# Altium PCB CM_PCB.PcbDoc (part 6 of 7)
Units mil, origin at the board's own origin, x right, y up, seen from the top; angles counter-clockwise.
Board outline 6478 x 5255 mil, 14 copper layers (Top Layer, GND1, HS1, GND2, DIFF_SE1, GND3, POWER1, POWER2, GND4, DIFF_SE2, GND5, HS2, GND6, Bottom Layer), stack 76.1 mil thick; 327 components, 386 nets, 2198 pads, 830 vias.
Unrouted connection lines stored in the file: 392.
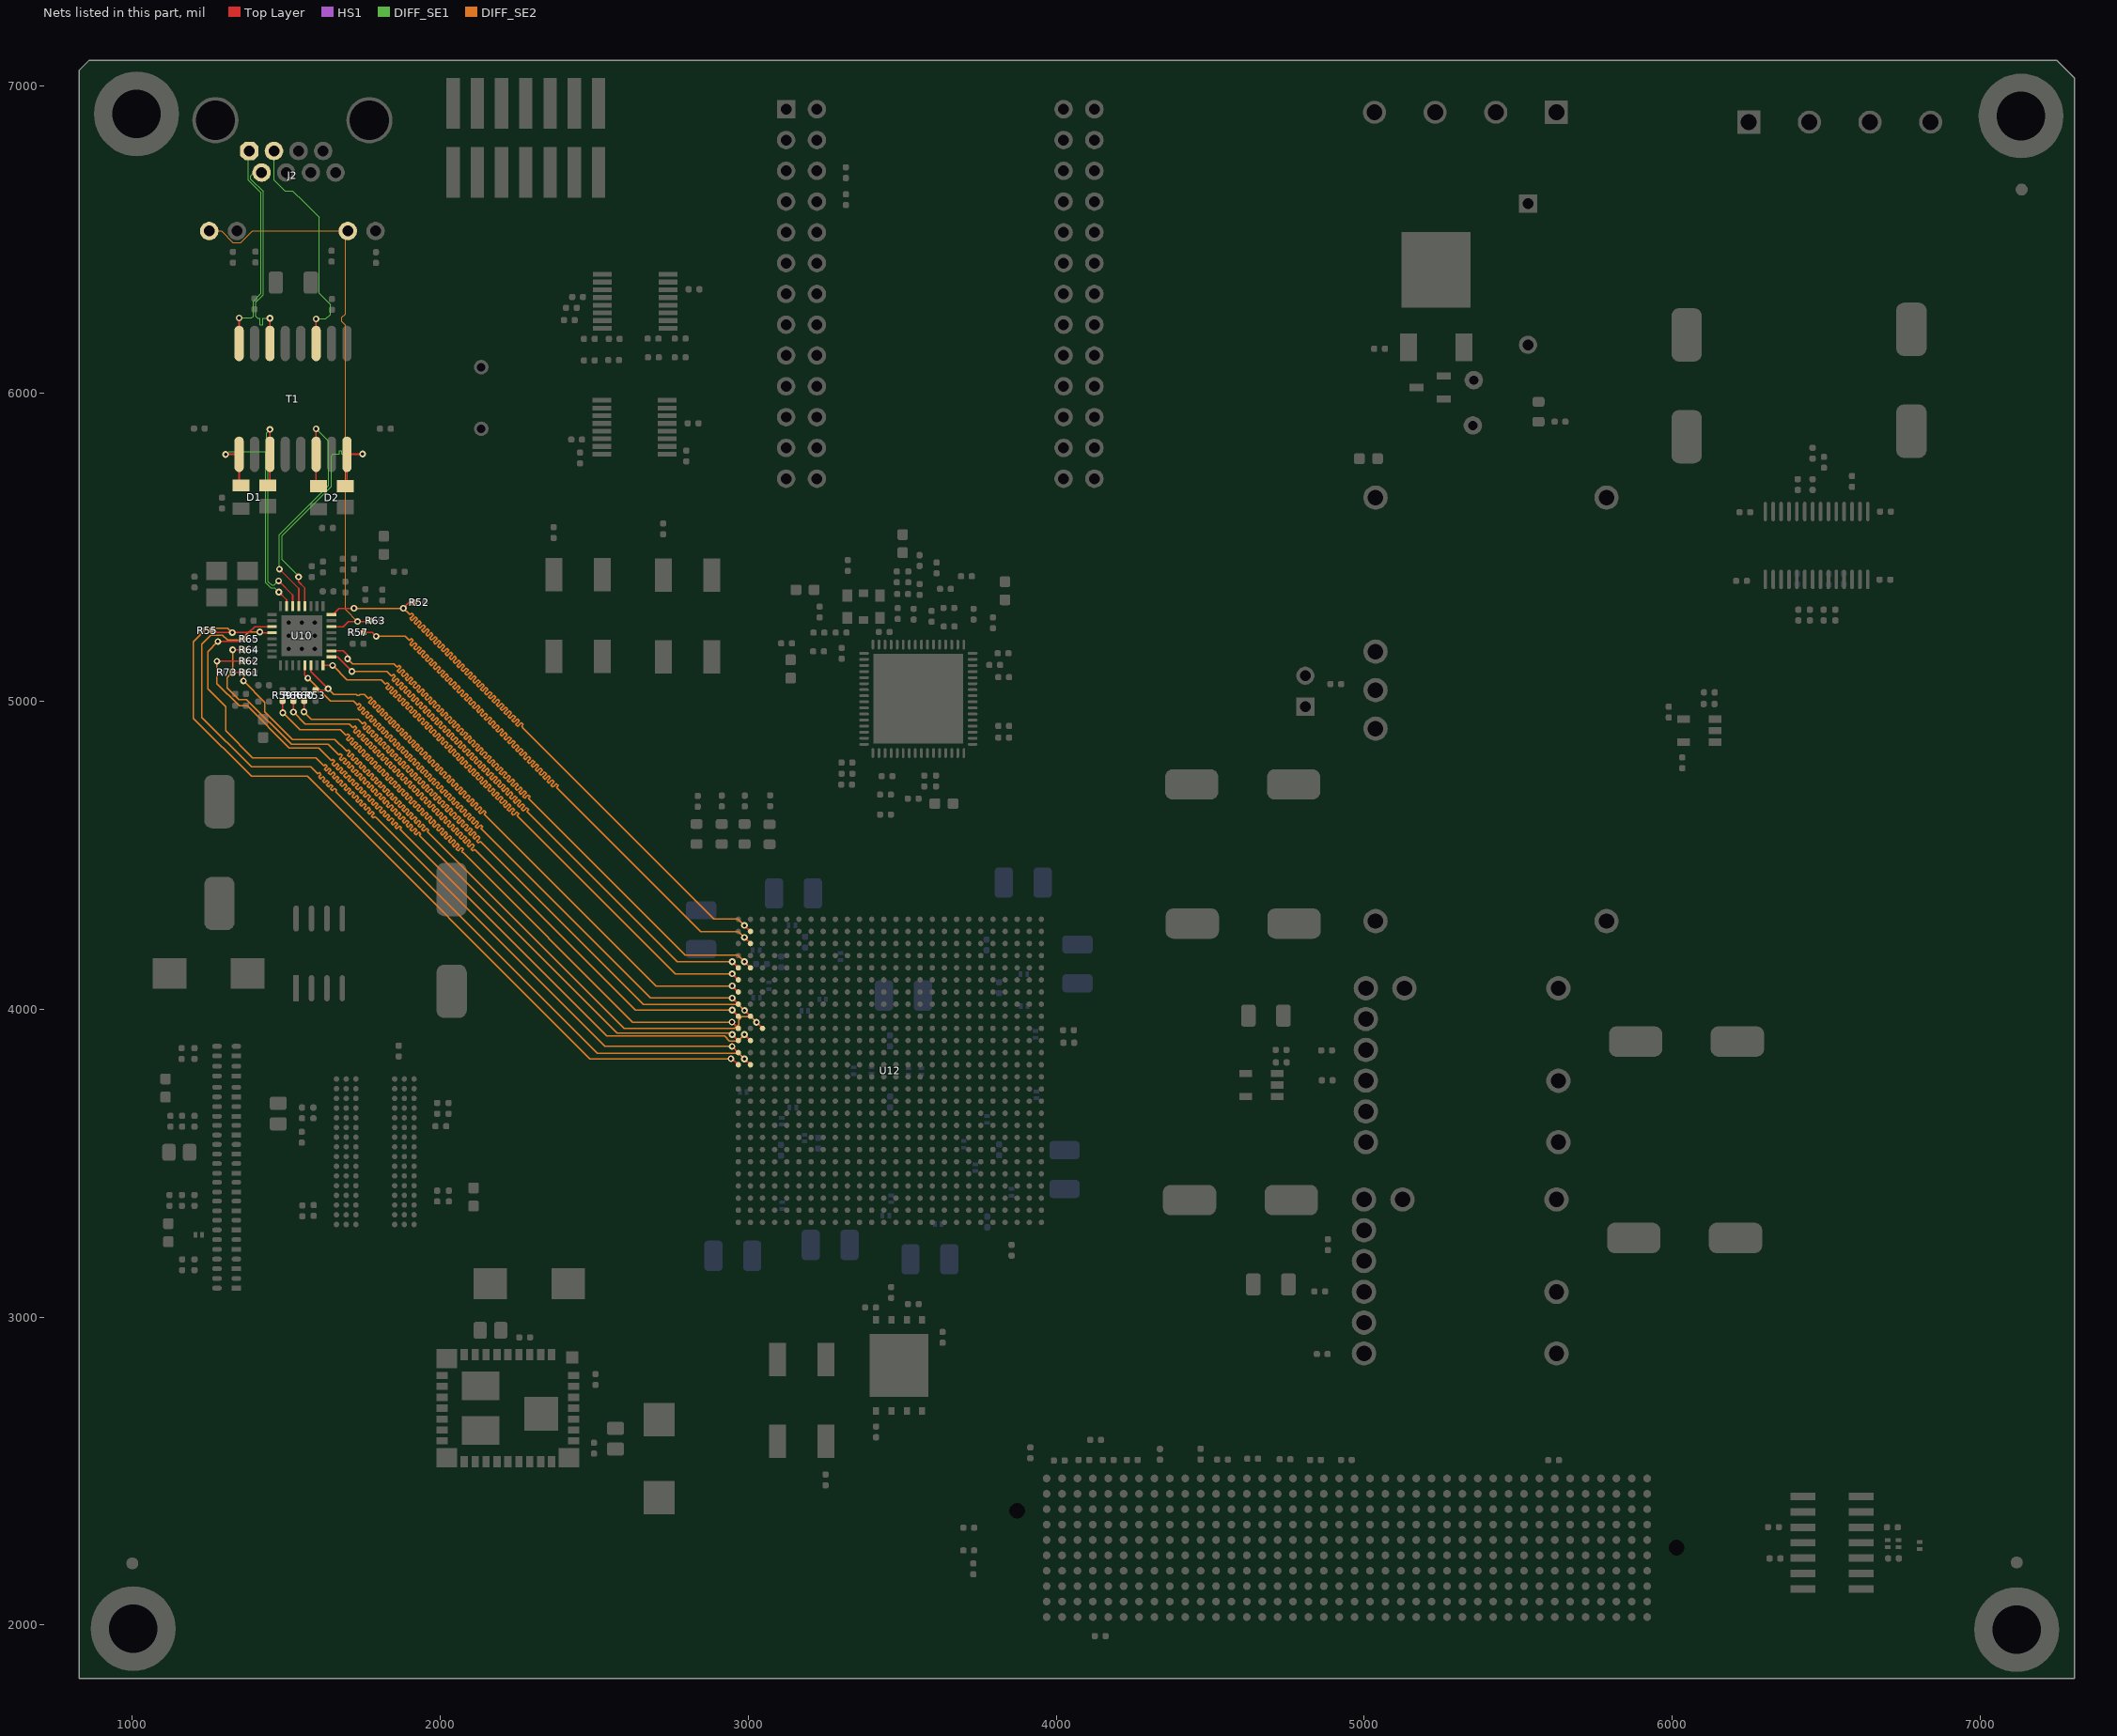
[diagram p18: the nets of this part, all layers, seen from the top]

## Via types
v1: diameter 22, hole 11, Top Layer to Bottom Layer, 627 vias
v2: diameter 22, hole 11, Top Layer to Bottom Layer, tented top, 139 vias
v3: diameter 19.68, hole 7.87, Top Layer to Bottom Layer, tented top, 27 vias
v4: diameter 19.68, hole 7.87, Top Layer to Bottom Layer, 25 vias
v5: diameter 19.68, hole 11.81, Top Layer to Bottom Layer, 12 vias

## Nets (pads, with @x,y where several pads share a name; then routed paths per layer and width w, separated by ;. In a path a pad name is that pad's centre, name@x,y a point inside that pad or via, vN(x,y) a via of type N, cw(c..) or ccw(c..) an arc to the next point about the centre after c; other vN are vias at no path point) (continued)
PHY_CONN_RX_P: J2.3 T1.11 | length 753.6
  Top Layer w5: T1.11@1596.94,6162.3 v1(1596.94,6241.94)
  DIFF_SE1 w3: J2.3@1459.94,6787.3 1459.94,6693.06 1495.16,6657.84 1520.84,6657.84 1556.34,6622.34 1606.66,6572.03 1606.66,6325.34 1642.94,6289.06 1642.94,6256 1628.89,6241.94 v1(1596.94,6241.94)
PHY_CONN_TX_N: J2.2 T1.14 | length 696.6
  Top Layer w5: T1.14@1446.94,6162.3 1446.94,6243.94 v1(1447,6244)
  DIFF_SE1 w3: J2.2@1419.94,6717.3 1395.3,6717.3 1385,6707 1385,6696.31 1426,6655.31 1426,6321 1400.97,6295.97 1400.97,6251 1407.97,6244 1410,6244 1415.49,6244 1415.49,6222.3 1423.49,6222.3 1423.49,6244 1427.49,6244 v1(1447,6244)
PHY_CONN_TX_P: J2.1 T1.16 | length 696
  Top Layer w5: T1.16@1346.94,6162.3 v1(1346.94,6244.94)
  DIFF_SE1 w3: v1(1346.94,6244.94) 1386.92,6244.94 1392.97,6251 1392.97,6299.29 1418,6324.31 1418,6652 1377,6693 1377,6784.35 J2.1@1379.94,6787.3
PHY_CRS: R57.2 U12.C2 | length 2845.3
  Top Layer w4: R57.2@1750.94,5223.8 1779.2,5223.8 v1(1792,5211) ; v1(2987.37,4233) U12.C2@3007.19,4213.18
  DIFF_SE2 w4: v1(1792,5211) 1887,5211 1897,5201 1900.18,5197.82 1905.7,5203.34 1912.06,5196.97 1906.55,5191.45 1901.03,5185.94 1907.39,5179.57 1912.91,5185.09 1918.43,5190.61 1924.79,5184.24 1919.27,5178.73 1913.76,5173.21 1920.12,5166.84 1925.64,5172.36 1931.16,5177.88 1937.52,5171.52 1932,5166 1926.48,5160.48 1932.85,5154.12 1938.37,5159.63 1943.88,5165.15 1950.25,5158.79 1944.73,5153.27 1939.21,5147.75 1945.58,5141.39 1951.09,5146.91 1956.61,5152.42 1962.97,5146.06 1957.46,5140.54 1951.94,5135.02 1958.3,5128.66 1963.82,5134.18 1969.34,5139.7 1975.7,5133.33 1970.19,5127.81 1964.67,5122.3 1971.03,5115.93 1976.55,5121.45 1982.07,5126.97 1988.43,5120.6 1982.91,5115.09 1977.4,5109.57 1983.76,5103.21 1989.28,5108.72 1994.79,5114.24 2001.16,5107.88 1995.64,5102.36 1990.12,5096.84 1996.49,5090.48 2002.01,5095.99 2007.52,5101.51 2013.89,5095.15 2008.37,5089.63 2002.85,5084.11 2009.22,5077.75 2014.73,5083.27 2020.25,5088.78 2026.61,5082.42 2021.1,5076.9 2015.58,5071.39 2021.94,5065.02 2027.46,5070.54 2032.98,5076.06 2039.34,5069.69 2033.83,5064.17 2028.31,5058.66 2034.67,5052.29 2040.19,5057.81 2045.71,5063.33 2052.07,5056.96 2046.55,5051.45 2041.04,5045.93 2047.4,5039.57 2052.92,5045.08 2058.43,5050.6 2064.8,5044.24 2059.28,5038.72 2053.76,5033.2 2060.13,5026.84 2065.64,5032.35 2071.16,5037.87 2077.53,5031.51 2072.01,5025.99 2066.49,5020.47 2072.86,5014.11 2078.37,5019.63 2083.89,5025.14 2090.25,5018.78 2084.74,5013.26 2079.22,5007.75 2085.58,5001.38 2091.1,5006.9 2096.62,5012.42 2102.98,5006.05 2097.46,5000.54 2091.95,4995.02 2098.31,4988.65 2103.83,4994.17 2109.35,4999.69 2115.71,4993.32 2110.19,4987.81 2104.68,4982.29 2111.04,4975.93 2116.56,4981.44 2122.07,4986.96 2128.44,4980.6 2122.92,4975.08 2117.4,4969.56 2123.77,4963.2 2129.28,4968.72 2134.8,4974.23 2141.17,4967.87 2135.65,4962.35 2130.13,4956.83 2136.5,4950.47 2142.01,4955.99 2147.53,4961.5 2153.89,4955.14 2148.38,4949.62 2142.86,4944.11 2149.22,4937.74 2154.74,4943.26 2160.26,4948.78 2166.62,4942.41 2161.1,4936.9 2155.59,4931.38 2161.95,4925.01 2167.47,4930.53 2172.99,4936.05 2179.35,4929.69 2173.83,4924.17 2168.32,4918.65 2174.68,4912.29 2180.2,4917.8 2185.71,4923.32 2192.08,4916.96 2186.56,4911.44 2181.04,4905.92 2187.41,4899.56 2192.92,4905.08 2198.44,4910.59 2204.81,4904.23 2199.29,4898.71 2193.77,4893.19 2200.13,4886.83 2205.65,4892.35 2211.17,4897.87 2217.53,4891.5 2212.02,4885.98 2206.5,4880.47 2212.86,4874.1 2218.38,4879.62 2223.9,4885.14 2230.26,4878.77 2224.74,4873.26 2219.23,4867.74 2225.59,4861.37 2231.11,4866.89 2236.63,4872.41 2242.99,4866.05 2237.47,4860.53 2231.95,4855.01 2238.32,4848.65 2243.84,4854.16 2249.35,4859.68 2255.72,4853.32 2250.2,4847.8 2244.68,4842.28 2251.05,4835.92 2256.56,4841.44 2262.08,4846.95 2268.45,4840.59 2262.93,4835.07 2257.41,4829.55 2263.77,4823.19 2269.29,4828.71 2274.81,4834.23 2281.17,4827.86 2275.66,4822.34 2270.14,4816.83 2276.5,4810.46 2282.02,4815.98 2287.54,4821.5 2293.9,4815.13 2288.38,4809.62 2282.87,4804.1 2289.23,4797.74 2294.75,4803.25 2300.26,4808.77 2306.63,4802.41 2301.11,4796.89 2295.59,4791.37 2301.96,4785.01 2307.48,4790.52 2312.99,4796.04 2319.36,4789.68 2313.84,4784.16 2308.32,4778.64 2314.69,4772.28 2320.2,4777.8 2325.72,4783.31 2332.08,4776.95 2326.57,4771.43 2321.05,4765.92 2327.41,4759.55 2332.93,4765.07 2338.45,4770.59 2344.81,4764.22 2339.3,4758.7 2333.78,4753.19 2340.14,4746.82 2345.66,4752.34 2351.18,4757.86 2357.54,4751.49 2352.02,4745.98 2346.51,4740.46 2352.87,4734.1 2358.39,4739.61 2363.9,4745.13 2370.27,4738.77 2364.75,4733.25 2359.23,4727.73 2365.6,4721.37 2371.12,4726.88 2376.63,4732.4 2383,4726.04 2377.48,4720.52 2435.5,4662.5 2846,4252 2968.37,4252 v1(2987.37,4233)
PHY_INTRP: U10.21 U12.H1 | length 2845.3
  Top Layer w4: U10.21@1560.29,5116.34 1560.29,5084.71 v1(1570,5075) ; v1(2948.15,4036) U12.H1@2967.82,4016.33
  DIFF_SE2 w4: v1(1570,5075) 1644,5001 1718,5001 1728,4991 1731.18,4987.82 1736.59,4993.23 1742.95,4986.86 1737.55,4981.45 1732.14,4976.05 1738.5,4969.68 1743.91,4975.09 1749.32,4980.5 1755.68,4974.13 1750.27,4968.73 1744.87,4963.32 1751.23,4956.95 1756.64,4962.36 1762.05,4967.77 1768.41,4961.41 1763,4956 1757.59,4950.59 1763.96,4944.23 1769.37,4949.63 1774.77,4955.04 1781.14,4948.68 1775.73,4943.27 1770.32,4937.86 1776.69,4931.5 1782.09,4936.91 1787.5,4942.31 1793.87,4935.95 1788.46,4930.54 1783.05,4925.13 1789.41,4918.77 1794.82,4924.18 1800.23,4929.59 1806.59,4923.22 1801.19,4917.81 1795.78,4912.41 1802.14,4906.04 1807.55,4911.45 1812.96,4916.86 1819.32,4910.49 1813.91,4905.09 1808.51,4899.68 1814.87,4893.32 1820.28,4898.72 1825.68,4904.13 1832.05,4897.77 1826.64,4892.36 1821.23,4886.95 1827.6,4880.59 1833.01,4885.99 1838.41,4891.4 1844.78,4885.04 1839.37,4879.63 1833.96,4874.22 1840.33,4867.86 1845.73,4873.27 1851.14,4878.67 1857.5,4872.31 1852.1,4866.9 1846.69,4861.5 1853.05,4855.13 1858.46,4860.54 1863.87,4865.95 1870.23,4859.58 1864.83,4854.17 1859.42,4848.77 1865.78,4842.4 1871.19,4847.81 1876.6,4853.22 1882.96,4846.85 1877.55,4841.45 1872.15,4836.04 1878.51,4829.68 1883.92,4835.08 1889.32,4840.49 1895.69,4834.13 1890.28,4828.72 1884.87,4823.31 1891.24,4816.95 1896.64,4822.35 1902.05,4827.76 1908.42,4821.4 1903.01,4815.99 1897.6,4810.58 1903.97,4804.22 1909.37,4809.63 1914.78,4815.03 1921.14,4808.67 1915.74,4803.26 1910.33,4797.86 1916.69,4791.49 1922.1,4796.9 1927.51,4802.31 1933.87,4795.94 1928.46,4790.54 1923.06,4785.13 1929.42,4778.76 1934.83,4784.17 1940.24,4789.58 1946.6,4783.21 1941.19,4777.81 1935.79,4772.4 1942.15,4766.04 1947.56,4771.44 1952.96,4776.85 1959.33,4770.49 1953.92,4765.08 1948.51,4759.67 1954.88,4753.31 1960.28,4758.72 1965.69,4764.12 1972.06,4757.76 1966.65,4752.35 1961.24,4746.94 1967.61,4740.58 1973.01,4745.99 1978.42,4751.4 1984.78,4745.03 1979.38,4739.62 1973.97,4734.22 1980.33,4727.85 1985.74,4733.26 1991.15,4738.67 1997.51,4732.3 1992.1,4726.9 1986.7,4721.49 1993.06,4715.12 1998.47,4720.53 2003.88,4725.94 2010.24,4719.58 2004.83,4714.17 1999.42,4708.76 2005.79,4702.4 2011.2,4707.8 2016.6,4713.21 2022.97,4706.85 2017.56,4701.44 2012.15,4696.03 2018.52,4689.67 2023.92,4695.08 2029.33,4700.48 2035.7,4694.12 2030.29,4688.71 2024.88,4683.3 2031.24,4676.94 2036.65,4682.35 2042.06,4687.76 2048.42,4681.39 2043.02,4675.98 2037.61,4670.58 2043.97,4664.21 2049.38,4669.62 2054.79,4675.03 2061.15,4668.66 2055.74,4663.26 2050.34,4657.85 2056.7,4651.48 2062.11,4656.89 2067.52,4662.3 2073.88,4655.94 2068.47,4650.53 2063.06,4645.12 2069.43,4638.76 2074.84,4644.16 2080.24,4649.57 2086.61,4643.21 2081.2,4637.8 2075.79,4632.39 2082.16,4626.03 2087.56,4631.44 2092.97,4636.84 2099.34,4630.48 2093.93,4625.07 2088.52,4619.66 2094.88,4613.3 2100.29,4618.71 2105.7,4624.12 2112.06,4617.75 2106.66,4612.34 2101.25,4606.94 2107.61,4600.57 2113.02,4605.98 2118.43,4611.39 2124.79,4605.02 2119.38,4599.62 2113.98,4594.21 2120.34,4587.85 2125.75,4593.25 2131.16,4598.66 2137.52,4592.3 2132.11,4586.89 2135,4584 2683,4036 v1(2948.15,4036)
PHY_LED: J2.9 J2.11 R63.1 U10.30 | length 1912
  Top Layer w4: U10.30@1646.9,5242.32 1684.82,5242.32 1701.5,5259 v1(1731.5,5259) 1769.5,5259 R63.1@1772.5,5262
  DIFF_SE2 w3: J2.9@1249.94,6527.3 1289.74,6527.3 1327.04,6490 1352.85,6490 1390.15,6527.3 J2.11@1699.94,6527.3 1692,6519.35 1692,6258.44 1680.44,6246.89 1680.44,6233.22 1692,6221.67 1692,5298 v1@1731,5259
PHY_MDC: U10.12 U12.N2 | length 2845.4
  Top Layer w4: v1(1414,5225) 1414,5223 1414.36,5222.64 U10.12@1453.99,5222.64 ; v1(2988,3838.67) U12.N2@3007.19,3819.48
  DIFF_SE2 w4: v1(1414,5225) 1378,5225 1352,5199 1309,5199 1293,5215 1255,5215 1226,5186 1226,4948 1387,4787 1580,4787 1599.5,4767.5 1602.68,4764.32 1606.58,4768.21 1612.94,4761.85 1609.05,4757.95 1605.15,4754.06 1611.51,4747.69 1615.41,4751.59 1619.31,4755.49 1625.67,4749.12 1621.77,4745.23 1617.88,4741.33 1624.24,4734.97 1628.14,4738.86 1632.03,4742.76 1638.4,4736.39 1634.5,4732.5 1630.61,4728.6 1636.97,4722.24 1640.87,4726.13 1644.76,4730.03 1651.13,4723.67 1647.23,4719.77 1643.33,4715.87 1649.7,4709.51 1653.59,4713.41 1657.49,4717.3 1663.85,4710.94 1659.96,4707.04 1665.5,4701.5 2510,3857 2969.67,3857 v1(2988,3838.67)
PHY_MDIO: R55.1 U10.11 U12.N1 | length 2845.3
  Top Layer w4: R55.1@1261,5230 1264,5233 1274,5223 v1(1325,5223) 1379,5223 1398.32,5242.32 U10.11@1453.99,5242.32 ; v1(2944,3839) 2948.3,3839 U12.N1@2967.82,3819.48
  HS1 w4: v1(2944,3839) v1@2944,3842
  DIFF_SE2 w4: v1(1325,5223) 1310,5238 1243,5238 1198,5193 1198,4945 1387,4756 1569,4756 2486,3839 v1(2944,3839)
PHY_RST: R52.1 U10.32 U12.B2 | length 2770.1
  Top Layer w4: U10.32@1646.9,5281.69 1650.69,5281.69 1671,5302 v1(1720,5302) ; v1(1880,5302) 1899,5321 R52.1@1914.5,5321 ; v1(2988,4272) 2988,4271.74 U12.B2@3007.19,4252.55
  DIFF_SE2 w4: v1(1720,5302) v1(1880,5302) 1898,5284 1901.18,5280.82 1906.91,5286.55 1913.28,5280.19 1907.55,5274.45 1901.81,5268.72 1908.18,5262.36 1913.91,5268.09 1919.64,5273.82 1926.01,5267.46 1920.27,5261.73 1914.54,5255.99 1920.91,5249.63 1926.64,5255.36 1932.37,5261.09 1938.73,5254.73 1933,5249 1927.27,5243.27 1933.63,5236.9 1939.37,5242.63 1945.1,5248.37 1951.46,5242 1945.73,5236.27 1940,5230.54 1946.36,5224.17 1952.09,5229.91 1957.83,5235.64 1964.19,5229.27 1958.46,5223.54 1952.73,5217.81 1959.09,5211.45 1964.82,5217.18 1970.55,5222.91 1976.92,5216.55 1971.19,5210.81 1965.45,5205.08 1971.82,5198.72 1977.55,5204.45 1983.28,5210.18 1989.65,5203.82 1983.91,5198.09 1978.18,5192.35 1984.55,5185.99 1990.28,5191.72 1996.01,5197.45 2002.37,5191.09 1996.64,5185.36 1990.91,5179.63 1997.27,5173.26 2003.01,5178.99 2008.74,5184.73 2015.1,5178.36 2009.37,5172.63 2003.64,5166.9 2010,5160.53 2015.73,5166.27 2021.47,5172 2027.83,5165.64 2022.1,5159.9 2016.36,5154.17 2022.73,5147.81 2028.46,5153.54 2034.19,5159.27 2040.56,5152.91 2034.83,5147.17 2029.09,5141.44 2035.46,5135.08 2041.19,5140.81 2046.92,5146.54 2053.29,5140.18 2047.55,5134.45 2041.82,5128.71 2048.18,5122.35 2053.92,5128.08 2059.65,5133.82 2066.01,5127.45 2060.28,5121.72 2054.55,5115.99 2060.91,5109.62 2066.64,5115.35 2072.38,5121.09 2078.74,5114.72 2073.01,5108.99 2067.28,5103.26 2073.64,5096.89 2079.37,5102.63 2085.11,5108.36 2091.47,5102 2085.74,5096.26 2080,5090.53 2086.37,5084.17 2092.1,5089.9 2097.83,5095.63 2104.2,5089.27 2098.46,5083.54 2092.73,5077.8 2099.1,5071.44 2104.83,5077.17 2110.56,5082.9 2116.93,5076.54 2111.19,5070.81 2105.46,5065.07 2111.82,5058.71 2117.56,5064.44 2123.29,5070.18 2129.65,5063.81 2123.92,5058.08 2118.19,5052.35 2124.55,5045.98 2130.28,5051.72 2136.02,5057.45 2142.38,5051.08 2136.65,5045.35 2130.92,5039.62 2137.28,5033.26 2143.01,5038.99 2148.74,5044.72 2155.11,5038.36 2149.38,5032.62 2143.64,5026.89 2150.01,5020.53 2155.74,5026.26 2161.47,5031.99 2167.84,5025.63 2162.1,5019.9 2156.37,5014.16 2162.74,5007.8 2168.47,5013.53 2174.2,5019.26 2180.56,5012.9 2174.83,5007.17 2169.1,5001.44 2175.46,4995.07 2181.2,5000.8 2186.93,5006.54 2193.29,5000.17 2187.56,4994.44 2181.83,4988.71 2188.19,4982.34 2193.92,4988.08 2199.66,4993.81 2206.02,4987.44 2200.29,4981.71 2194.56,4975.98 2200.92,4969.62 2206.65,4975.35 2212.38,4981.08 2218.75,4974.72 2213.02,4968.98 2207.28,4963.25 2213.65,4956.89 2219.38,4962.62 2225.11,4968.35 2231.48,4961.99 2225.74,4956.26 2220.01,4950.52 2226.38,4944.16 2232.11,4949.89 2237.84,4955.62 2244.2,4949.26 2238.47,4943.53 2232.74,4937.8 2239.1,4931.43 2244.84,4937.16 2250.57,4942.9 2256.93,4936.53 2251.2,4930.8 2245.47,4925.07 2251.83,4918.7 2257.56,4924.44 2263.3,4930.17 2269.66,4923.8 2263.93,4918.07 2271,4911 2889,4293 2967,4293 v1(2988,4272)
PHY_RX_N: D2.2 T1.8 U10.4 | length 873.9
  Top Layer w5: v1@1540,5411.21 v1(1540,5404) 1540,5388.21 1560.29,5367.93 U10.4@1560.29,5309.25 ; D2.2@1691.25,5699.09 1696.94,5704.78 T1.8@1696.94,5802.3 1747.3,5802.3 v1(1748,5803)
  DIFF_SE1 w3: v1(1540,5404) 1540,5406 1486,5460 1486,5538 1646,5698 1646,5797 1652,5803 1668,5803 1672,5803 1672,5813.27 1680,5813.27 1680,5803 1697,5803 v1(1748,5803)
PHY_RX_P: D2.3 T1.6 U10.5 | length 873.9
  Top Layer w5: v1(1478,5429) 1540.6,5366.4 U10.5@1540.6,5309.25 ; v1(1596.94,5884.94) T1.6@1596.94,5802.3 1596.94,5706.78 D2.3@1604.64,5699.09
  DIFF_SE1 w3: v1(1478,5429) 1478,5541.31 1638,5701.31 1638,5843.89 v1(1596.94,5884.94)
PHY_RXC: R66.2 U12.J1 | length 2845.3
  Top Layer w4: v1(1523,4965) 1523.44,4965.44 R66.2@1523.44,5001.3 ; v1(2947.78,3997) U12.J1@2967.82,3976.96
  DIFF_SE2 w4: v1(1523,4965) 1562,4926 1705,4926 1714,4917 1717.18,4913.82 1722.63,4919.26 1728.99,4912.9 1723.55,4907.45 1718.1,4902.01 1724.47,4895.65 1729.91,4901.09 1735.35,4906.53 1741.72,4900.17 1736.27,4894.73 1730.83,4889.28 1737.19,4882.92 1742.64,4888.36 1748.08,4893.81 1754.45,4887.44 1749,4882 1743.56,4876.55 1749.92,4870.19 1755.37,4875.63 1760.81,4881.08 1767.17,4874.71 1761.73,4869.27 1756.29,4863.83 1762.65,4857.46 1768.09,4862.91 1773.54,4868.35 1779.9,4861.99 1774.46,4856.54 1769.01,4851.1 1775.38,4844.73 1780.82,4850.18 1786.27,4855.62 1792.63,4849.26 1787.19,4843.81 1781.74,4838.37 1788.11,4832.01 1793.55,4837.45 1798.99,4842.89 1805.36,4836.53 1799.91,4831.09 1794.47,4825.64 1800.83,4819.28 1806.28,4824.72 1811.72,4830.17 1818.09,4823.8 1812.64,4818.36 1807.2,4812.91 1813.56,4806.55 1819.01,4811.99 1824.45,4817.44 1830.81,4811.07 1825.37,4805.63 1819.93,4800.19 1826.29,4793.82 1831.73,4799.27 1837.18,4804.71 1843.54,4798.35 1838.1,4792.9 1832.65,4787.46 1839.02,4781.09 1844.46,4786.54 1849.91,4791.98 1856.27,4785.62 1850.83,4780.17 1845.38,4774.73 1851.75,4768.37 1857.19,4773.81 1862.63,4779.26 1869,4772.89 1863.55,4767.45 1858.11,4762 1864.47,4755.64 1869.92,4761.08 1875.36,4766.53 1881.73,4760.16 1876.28,4754.72 1870.84,4749.27 1877.2,4742.91 1882.64,4748.35 1888.09,4753.8 1894.45,4747.44 1889.01,4741.99 1883.56,4736.55 1889.93,4730.18 1895.37,4735.63 1900.82,4741.07 1907.18,4734.71 1901.74,4729.26 1896.29,4723.82 1902.66,4717.45 1908.1,4722.9 1913.55,4728.34 1919.91,4721.98 1914.46,4716.54 1909.02,4711.09 1915.38,4704.73 1920.83,4710.17 1926.27,4715.62 1932.64,4709.25 1927.19,4703.81 1921.75,4698.36 1928.11,4692 1933.56,4697.44 1939,4702.89 1945.36,4696.52 1939.92,4691.08 1934.48,4685.64 1940.84,4679.27 1946.28,4684.72 1951.73,4690.16 1958.09,4683.8 1952.65,4678.35 1947.2,4672.91 1953.57,4666.54 1959.01,4671.99 1964.46,4677.43 1970.82,4671.07 1965.38,4665.62 1959.93,4660.18 1966.3,4653.82 1971.74,4659.26 1977.18,4664.7 1983.55,4658.34 1978.1,4652.9 1972.66,4647.45 1979.02,4641.09 1984.47,4646.53 1989.91,4651.98 1996.28,4645.61 1990.83,4640.17 1985.39,4634.72 1991.75,4628.36 1997.2,4633.8 2002.64,4639.25 2009,4632.88 2003.56,4627.44 1998.12,4622 2004.48,4615.63 2009.92,4621.08 2015.37,4626.52 2021.73,4620.16 2016.29,4614.71 2010.84,4609.27 2017.21,4602.9 2022.65,4608.35 2028.1,4613.79 2034.46,4607.43 2029.02,4601.98 2023.57,4596.54 2029.94,4590.18 2035.38,4595.62 2040.82,4601.06 2047.19,4594.7 2041.74,4589.26 2036.3,4583.81 2042.66,4577.45 2048.11,4582.89 2053.55,4588.34 2059.92,4581.97 2054.47,4576.53 2049.03,4571.08 2055.39,4564.72 2060.84,4570.16 2066.28,4575.61 2072.64,4569.24 2067.2,4563.8 2061.76,4558.36 2068.12,4551.99 2073.56,4557.44 2079.01,4562.88 2085.37,4556.52 2079.93,4551.07 2074.48,4545.63 2080.85,4539.26 2086.29,4544.71 2091.74,4550.15 2098.1,4543.79 2092.66,4538.34 2087.21,4532.9 2093.58,4526.54 2099.02,4531.98 2104.46,4537.42 2110.83,4531.06 2105.38,4525.62 2099.94,4520.17 2106.3,4513.81 2111.75,4519.25 2117,4514 2634,3997 v1(2947.78,3997)
PHY_RXD0: R61.2 R73.2 U12.K3 | length 2845.2
  Top Layer w4: R73.2@1326,5094 1326.2,5093.8 R61.2@1361.94,5093.8 1361.94,5066.94 v1(1361,5066) ; v1(3026.87,3957.28) U12.K3@3046.56,3937.59
  DIFF_SE2 w4: v1(1361,5066) 1430,4997 1430,4966 1520,4876 1658,4876 1693.5,4840.5 1696.68,4837.32 1701.59,4842.23 1707.96,4835.87 1703.05,4830.95 1698.13,4826.04 1704.5,4819.68 1709.41,4824.59 1714.32,4829.5 1720.69,4823.14 1715.77,4818.23 1710.86,4813.31 1717.23,4806.95 1722.14,4811.86 1727.05,4816.77 1733.41,4810.41 1728.5,4805.5 1723.59,4800.59 1729.95,4794.22 1734.87,4799.13 1739.78,4804.05 1746.14,4797.68 1741.23,4792.77 1736.32,4787.86 1742.68,4781.49 1747.59,4786.41 1752.51,4791.32 1758.87,4784.95 1753.96,4780.04 1749.05,4775.13 1755.41,4768.77 1760.32,4773.68 1765.23,4778.59 1771.6,4772.23 1766.69,4767.31 1761.77,4762.4 1768.14,4756.04 1773.05,4760.95 1777.96,4765.86 1784.33,4759.5 1779.41,4754.59 1774.5,4749.67 1780.87,4743.31 1785.78,4748.22 1790.69,4753.13 1797.05,4746.77 1792.14,4741.86 1787.23,4736.95 1793.59,4730.58 1798.51,4735.49 1803.42,4740.41 1809.78,4734.04 1804.87,4729.13 1799.96,4724.22 1806.32,4717.85 1811.23,4722.77 1816.15,4727.68 1822.51,4721.31 1817.6,4716.4 1812.69,4711.49 1819.05,4705.13 1823.96,4710.04 1828.87,4714.95 1835.24,4708.59 1830.33,4703.67 1825.41,4698.76 1831.78,4692.4 1836.69,4697.31 1841.6,4702.22 1847.97,4695.86 1843.05,4690.95 1838.14,4686.03 1844.5,4679.67 1849.42,4684.58 1854.33,4689.5 1860.69,4683.13 1855.78,4678.22 1850.87,4673.31 1857.23,4666.94 1862.14,4671.85 1867.06,4676.77 1873.42,4670.4 1868.51,4665.49 1863.6,4660.58 1869.96,4654.21 1874.87,4659.13 1879.79,4664.04 1886.15,4657.68 1881.24,4652.76 1876.32,4647.85 1882.69,4641.49 1887.6,4646.4 1892.51,4651.31 1898.88,4644.95 1893.96,4640.04 1889.05,4635.12 1895.42,4628.76 1900.33,4633.67 1905.24,4638.58 1911.6,4632.22 1906.69,4627.31 1901.78,4622.4 1908.14,4616.03 1913.06,4620.94 1917.97,4625.86 1924.33,4619.49 1919.42,4614.58 1914.51,4609.67 1920.87,4603.3 1925.78,4608.22 1930.7,4613.13 1937.06,4606.76 1932.15,4601.85 1927.24,4596.94 1933.6,4590.58 1938.51,4595.49 1943.42,4600.4 1949.79,4594.04 1944.88,4589.12 1939.96,4584.21 1946.33,4577.85 1951.24,4582.76 1956.15,4587.67 1962.52,4581.31 1957.6,4576.4 1962,4572 2597,3937 2956,3937 2969,3950 2969,3965 2979,3975 3009.15,3975 v1(3026.87,3957.28)